# Altium PCB Pleiades_PP.PcbDoc (part 5 of 15)
Units mil, origin at the board's own origin, x right, y up, seen from the top; angles counter-clockwise.
Board outline 12244.09 x 4515.28 mil, 12 copper layers (TOP, GND1, IN1, GND2, POW1, GND3, POW2, GND4, GND5, IN2, GND6, BOT), stack 63.546 mil thick; 1447 components, 738 nets, 4532 pads, 3316 vias.
Unrouted connection lines stored in the file: 499.
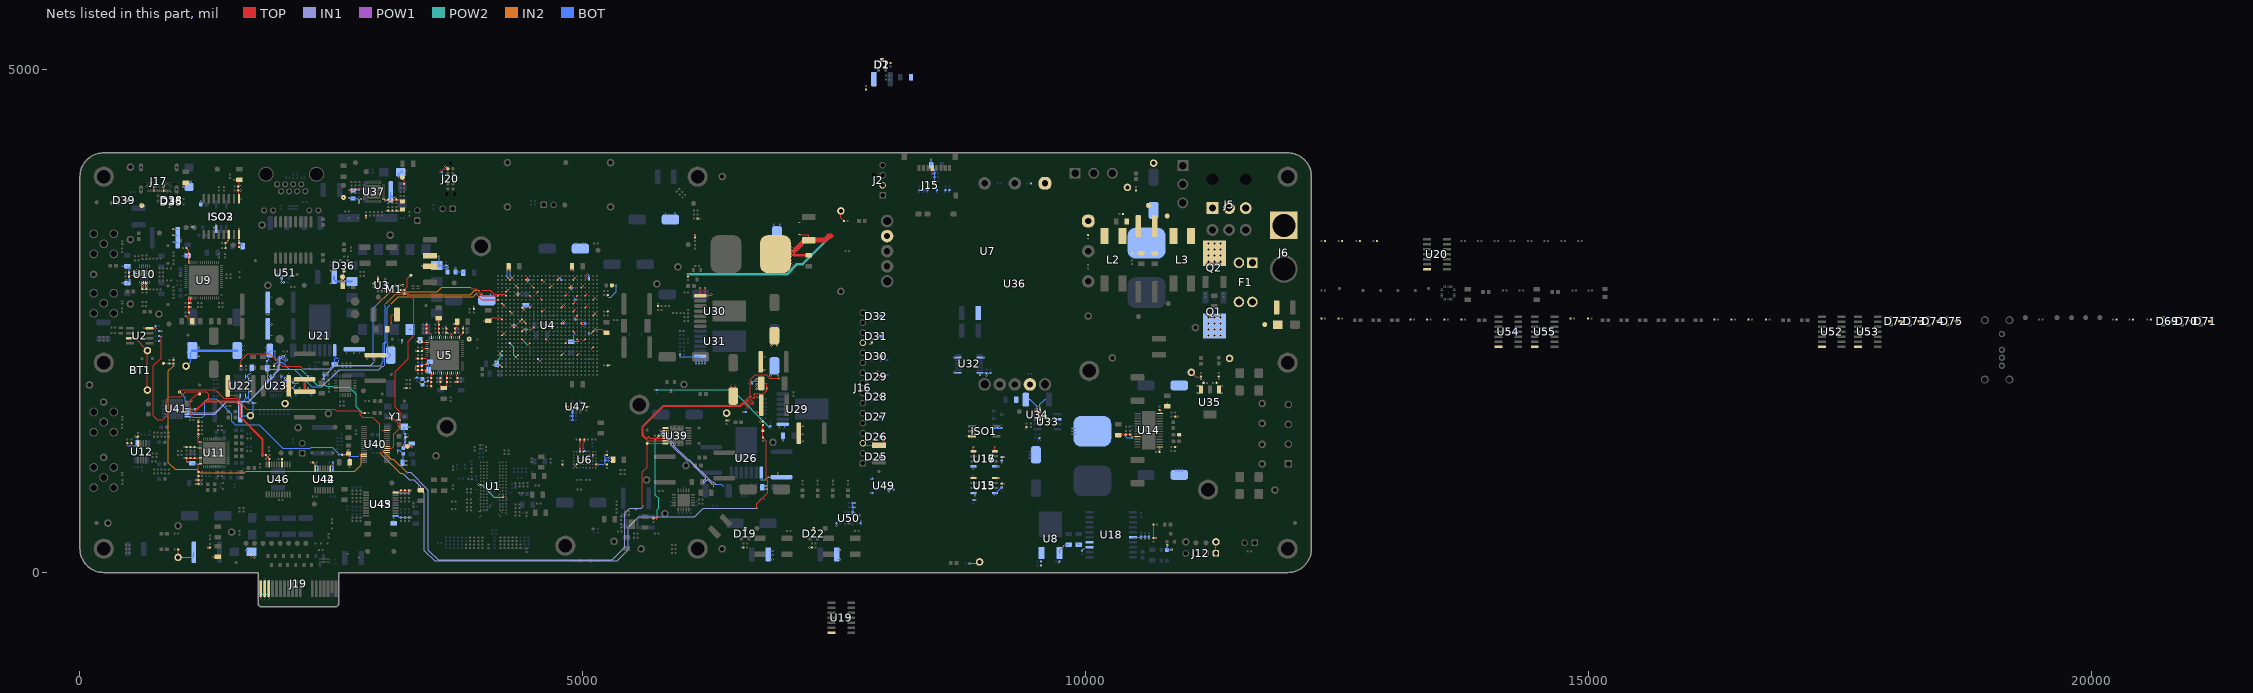
[diagram p15: the nets of this part, all layers, seen from the top]

## Via types
v1: diameter 12/18/18/18/18/18/18/18/18/18/18/12 (per signal layer), hole 6, TOP to BOT, 2739 vias
v2: diameter 20, hole 10, TOP to BOT, 363 vias
v3: diameter 19.68, hole 7.87, TOP to BOT, 110 vias
v4: diameter 40, hole 20, TOP to BOT, 36 vias
v5: diameter 25, hole 12, TOP to BOT, 32 vias
v6: diameter 22, hole 12, TOP to BOT, 27 vias
v7: diameter 19.68, hole 11.81, TOP to BOT, 9 vias

## Nets (pads, with @x,y where several pads share a name; then routed paths per layer and width w, separated by ;. In a path a pad name is that pad's centre, name@x,y a point inside that pad or via, vN(x,y) a via of type N, cw(c..) or ccw(c..) an arc to the next point about the centre after c; other vN are vias at no path point) (continued)
+3V3A: C282.1 C283.1 C284.1 C285.1 C286.1 C287.1 C288.1 C289.1 C290.1 C308.1 C309.1 C310.1 C311.1 C312.1 C313.1 C314.1 C315.1 C316.1 C317.1 C318.1 C319.1 C320.1 C321.1 C322.1 C394.1 C395.1 C396.1 C397.1 TP80.1 U9.16 U9.33 U9.34 U11.37 U11.40 U11.45 U11.48 U23.1 U23.3 U23.20 | length 2356.7
  TOP w10: v1(1037.5,1137.5) C312.1@1060,1137.5 ; v1(1037.5,1247.5) C313.1@1060,1247.5 C317.1@1100,1247.5 C321.1@1140,1247.5 1166.86,1247.5 1175.15,1239.21 v1(1175.69,1239.21) U11.40@1198.19,1239.21 ; v1(1050,2550) C283.1@1100,2500 ; C286.1@1057.5,3225 v1(1073.41,3209.09) 1073.41,3208.55 1082.5,3199.46 C288.1@1082.5,3170 C290.1@1082.5,3130 1082.43,3129.93 1082.43,3081.25 U9.16@1082.36,3081.18 ; v1(1067.5,1100) 1067.5,1100.54 1060,1108.04 C312.1@1060,1137.5 ; U9.33@1082.36,2728.82 U9.33@1082.36,2728.82 1082.43,2585.07 C285.1@1082.5,2585 ; C287.1@1082.5,2640 v1(1105,2640) ; U9.34@1102.05,2728.82 1102.05,2699.55 C289.1@1082.5,2680 v1(1105,2680) ; v1(1155,880) C309.1@1177.5,880 C311.1@1177.5,920 ; v1(1155,920) C311.1@1177.5,920 ; v1(1177.5,1517.5) C310.1@1177.5,1495 C314.1@1177.5,1455 C318.1@1177.5,1415 C322.1@1177.5,1375 v1(1177.5,1352.5) 1177.5,1351.96 1175.69,1350.15 v1(1175.69,1298.27) U11.37@1198.19,1298.27 ; U11.48@1198.19,1081.73 v1(1175.69,1081.73) 1176.07,1081.35 1176.07,1001.43 C319.1@1177.5,1000 C315.1@1177.5,960 C311.1@1177.5,920 ; U11.45@1198.19,1140.79 v1(1175.69,1140.79) 1175.15,1140.79 1171.86,1137.5 C320.1@1140,1137.5 C316.1@1100,1137.5 C312.1@1060,1137.5 ; v1(2170,1882.5) C394.1@2170,1905 ; C395.1@2183.49,1811 v1(2183.49,1833.5) ; v1(2230,1882.5) C394.1@2230,1905 ; C395.1@2265.99,1811 v1(2265.99,1833.5)
  TOP w25: C395.1@2233.49,1799.41 C394.1@2233.49,1920.41
  BOT w10: v1(924.5,3355) C282.1@970,3355 ; v1(924.5,3415) C282.1@970,3415 ; v1(929.5,3285) C282.1@975,3285 ; v1(1022.5,3150) 1068,3150 C284.1@1070,3152 ; v1(1067.5,1100) C308.1@1090,1100 ; C308.1@1115,1087 1120.27,1081.73 v1(1175.69,1081.73) ; U23.20@1999.16,1950.72 v1(2021.66,1950.72) v1(2042.47,1929.91) U23.1@2042.47,1907.41 2100.99,1907.41 C397.1@2118.49,1889.91 ; U23.3@2042.47,1856.23 2055.26,1856.23 2076.49,1835 v1(2117.5,1835) 2117.88,1834.62 2117.88,1830.02 2148.49,1799.41 C396.1@2233.49,1799.41 ; v1@2117.88,1835.38 2134.4,1851.9 v1(2134.4,1871.5) ; C397.1@2118.49,1887.41 v1(2134.4,1871.5) ; v1(2150,1757.44) C396.1@2150,1779.94 ; v1(2170,1882.5) 2145.94,1882.5 2134.94,1871.5 v1(2134.4,1871.5) ; v1(2300.99,1757.44) C396.1@2300.99,1779.94
  other v1: 1082.43,3105.59
+3V3A_EN: R190.2 U4.A20 | length 3122.8
  TOP w6: v1(3955,2785) 3955,2750 3992.4,2712.6 U4.A20@4157.48,2712.6
  TOP w10: R190.2@1930,2052.5 v1(1930,2075)
  IN1 w6: v1(2405,1845) 2575.5,2015.5 2696.37,2015.5 2697.79,2016.91 2971.91,2016.91 3005,2050 v1(3030,2050)
  IN2 w6: v1(3090,2665.36) 3164.64,2740 3910,2740 v1(3955,2785)
  BOT w6: v1(1930,2075) 1948.79,2075 1963.79,2090 2008.79,2090 2078.79,2020 2130,2020 2305,1845 v1(2405,1845) ; v1(3030,2050) 3030,2276.21 3055,2301.21 3055,2630.36 v1(3090,2665.36)
+3V3A_ETH: C520.1 C521.1 C522.1 FB7.2 TP116.1 U37.3 | length 262
  TOP w10: v1(2672.5,3802.5) 2677.5,3807.5 C521.1@2700,3807.5 C522.1@2740,3807.5 2746.87,3814.37 U37.3@2825,3814.37
  BOT w10: v1(2672.5,3802.5) 2712.5,3802.5 FB7.2@2715,3800 ; FB7.2@2720,3805 2722.5,3807.5 C520.1@2775,3807.5 C520.1@2780,3807.5
  other v1: 2620,3730
+3V3D: C100.2 C104.1 C106.2 C114.1 C115.1 C116.1 C117.1 C118.1 C119.1 C120.1 C121.1 C122.1 C123.1 C124.1 C125.1 C126.1 C127.1 C128.1 C129.1 C130.1 C131.1 C132.1 C133.1 C134.1 C135.1 C136.1 C137.1 C147.1 C148.1 C152.1 C153.1 C161.1 C162.1 C163.1 C164.1 C165.1 C166.1 C167.1 C168.1 C169.1 C170.1 C171.1 C172.1 C173.1 C174.1 C175.1 C176.1 C177.1 C178.1 C179.1 C180.1 C181.1 C200.1 C201.1 C202.1 C203.1 C204.1 C205.1 C206.1 C207.1 C208.1 C209.1 C210.1 C368.1 C370.1 C371.1 C372.1 C373.1 C374.1 C376.1 C385.1 C386.1 C387.1 C388.1 C389.1 C467.1 C468.1 C469.1 C470.1 C471.1 C479.1 C487.1 C488.1 C512.1 C513.1 C514.1 C519.1 C528.1 C531.1 C533.1 C534.1 C541.1 C542.1 C546.1 C547.1 C576.1 C577.1 C578.1 C579.1 C598.1 C599.1 C600.1 C601.1 C611.1 C612.1 C613.1 C614.1 C616.1 C617.1 C618.1 C619.2 C620.2 C621.2 C622.2 C623.2 D1.3 D2.3 D19.3 D22.3 D25.3 D26.3 D27.3 D28.3 D29.3 D30.3 D31.3 D32.3 D69.3 D70.3 D71.3 D72.3 D73.3 D74.3 D75.3 FB1.1 FB2.1 FB5.1 FB6.1 FB7.1 FB8.1 ISO1.5 J15.4 J16.3 J16.13 J20.1 NT47.1 R45.1 R46.1 R47.1 R48.2 R49.2 R56.1 R57.1 R58.1 R59.1 R62.1 R63.1 R65.1 R82.1 R171.1 R175.1 R176.1 R177.1 R178.1 R179.1 R180.1 R181.1 R182.1 R222.1 R241.1 R245.1 R246.1 R248.1 R312.1 R324.1 R325.1 R340.1 R345.1 R346.1 R347.1 R348.1 R349.1 R350.1 R351.1 R352.1 R353.1 R354.1 R358.2 R359.2 R360.2 R361.2 R369.2 R370.2 R371.2 R372.2 TP95.1 U2.8 U3.5 U4.AA6 U4.AA10 U4.AA16 U4.AA21 U4.AB14 U4.AB23 U4.AC10 U4.AC18 U4.AC21 U4.AD25 U4.AE8 U4.AE12 U4.AE16 U4.AE20 U4.B3 U4.B7 U4.B11 U4.B15 U4.B19 U4.C22 U4.D9 U4.D17 U4.D25 U4.E13 U4.F6 U4.F21 U4.F23 U4.G10 U4.G12 U4.G15 U4.G18 U4.H14 U4.H25 U4.J9 U4.J18 U4.J21 U4.K13 U4.K23 U4.L5 U4.L22 U4.M17 U4.M20 U4.M25 U4.N10 U4.P23 U4.T25 U4.U6 U4.U14 U4.U18 U4.V9 U4.V21 U4.W23 U4.Y12 U4.Y17 U4.Y19 U4.Y25 U5.8 U5.11 U5.18 U5.21 U5.26 U5.29 U5.32 U6.B2 U6.C6 U6.D6 U6.G5 U6.H2 U13.1 U15.1 U16.1 U17.1 U19.14 U20.14 U30.1 U31.1 U32.1 U32.7 U39.4 U40.36 U41.4 U42.10 U42.16 U43.20 U44.10 U44.16 U45.20 U46.4 U46.9 U47.3 U49.3 U50.3 U51.2 U52.14 U53.14 U54.14 U55.14 | length 16604.6
  TOP w5: NT47.1@6830,1835 6830,1874.79 ; 6824.79,1880 R241.1@6774,1880 6824.79,1880 ; 6824.79,1880 6830,1874.79 ; 6824.79,1880 6830,1874.79
  TOP w5.95: v1(4924.76,1059.25) U6.B2@4940.51,1075 ; U6.C6@4972.01,1200.98 v1(4972.01,1223.26) ; U6.D6@5003.5,1200.98 v1(5003.5,1223.26) ; U6.G5@5097.99,1169.49 v1(5113.74,1185.24) ; U6.H2@5129.49,1074.74 v1(5151.76,1074.74)
  TOP w8.89: C126.1@4060,2502 4070,2502 4100.05,2532.05 4180.55,2532.05 U4.B15@4196.85,2515.75 ; v1(4177.17,2062.99) U4.B3@4196.85,2043.31 ; v1(4177.17,2181.1) U4.B7@4196.85,2200.79 ; U4.B11@4196.85,2358.27 v1(4216.54,2377.95) ; U4.B19@4196.85,2673.23 v1(4216.54,2653.54) ; U4.C22@4236.22,2791.34 v1(4255.91,2811.02) ; v1(4255.91,2929.13) U4.D25@4275.59,2909.45 v1(4295.28,2929.13) ; U4.D9@4275.59,2279.53 v1(4295.28,2259.84) ; U4.D17@4275.59,2594.49 v1(4295.28,2574.8) ; v1(4295.28,2456.69) U4.E13@4314.96,2437.01 v1(4334.65,2456.69) ; v1(4334.65,2141.73) U4.F6@4354.33,2161.42 ; v1(4334.65,2771.65) U4.F21@4354.33,2751.97 v1(4374.02,2771.65) ; v1(4334.65,2850.39) U4.F23@4354.33,2830.71 ; v1(4374.02,2496.06) U4.G15@4393.7,2515.75 ; U4.G10@4393.7,2318.9 v1(4413.39,2299.21) ; U4.G12@4393.7,2397.64 v1(4413.39,2417.32) ; U4.G18@4393.7,2633.86 v1(4413.39,2614.17) ; v1(4413.39,2496.06) U4.H14@4433.07,2476.38 ; v1(4452.76,2259.84) U4.J9@4472.44,2279.53 ; v1(4452.76,2417.32) 4492.13,2417.32 U4.K13@4511.81,2437.01 ; v1(4452.76,2889.76) U4.H25@4433.07,2909.45 v1(4452.76,2929.13) ; U4.J18@4472.44,2633.86 v1(4492.13,2653.54) ; U4.J21@4472.44,2751.97 v1(4492.13,2732.28) ; v1(4492.13,2850.39) U4.K23@4511.81,2830.71 ; v1(4531.5,2771.65) U4.L22@4551.18,2791.34 ; U4.L5@4551.18,2122.05 v1(4570.87,2102.36) ; v1(4570.87,2732.28) U4.M20@4590.55,2712.6 ; U4.M17@4590.55,2594.49 v1(4610.24,2614.17) ; U4.M25@4590.55,2909.45 v1(4610.24,2889.76) ; U4.N10@4629.92,2318.9 v1(4649.61,2299.21) ; U4.P23@4669.29,2830.71 v1(4688.98,2850.39) ; U4.T25@4748.03,2909.45 v1(4767.72,2929.13) ; U4.U6@4787.4,2161.42 v1(4807.09,2181.1) ; U4.U14@4787.4,2476.38 v1(4807.09,2496.06) ; U4.U18@4787.4,2633.86 v1(4807.09,2653.54) ; U4.V9@4826.77,2279.53 v1(4846.46,2299.21) ; U4.V21@4826.77,2751.97 v1(4846.46,2771.65) ; v1(4885.83,2811.02) U4.W23@4866.14,2830.71 v1(4885.83,2850.39) ; U4.Y12@4905.51,2397.64 v1(4925.2,2377.95) ; U4.Y17@4905.51,2594.49 v1(4925.2,2614.17) ; U4.Y19@4905.51,2673.23 v1(4925.2,2692.91) ; U4.Y25@4905.51,2909.45 v1(4925.2,2929.13) ; v1(4925.2,2535.43) U4.AA16@4944.88,2555.12 ; v1(4925.2,2732.28) U4.AA21@4944.88,2751.97 ; U4.AA6@4944.88,2161.42 v1(4964.57,2181.1) ; U4.AA10@4944.88,2318.9 v1(4964.57,2299.21) ; U4.AB23@4984.25,2830.71 v1(5003.94,2850.39) ; v1(5003.94,2299.21) U4.AC10@5023.62,2318.9 ; v1(5003.94,2456.69) U4.AB14@4984.25,2476.38 v1(5003.94,2496.06) ; U4.AC18@5023.62,2633.86 v1(5043.31,2653.54) ; U4.AC21@5023.62,2751.97 v1(5043.31,2771.65) ; v1(5045,2965) 5045,2927.44 U4.AD25@5062.99,2909.45 ; v1(5082.68,2220.47) U4.AE8@5102.36,2240.16 ; v1(5082.68,2377.95) U4.AE12@5102.36,2397.64 v1(5122.05,2417.32) 5189.68,2417.32 5225,2382 C135.1@5235,2382 ; U4.AE16@5102.36,2555.12 v1(5122.05,2574.8) ; U4.AE20@5102.36,2712.6 v1(5122.05,2732.28)
  TOP w10: v1(634.31,2430) U2.8@690,2430 749.46,2430 751.96,2427.5 v1(752.5,2427.5) ; v1(1815,1165) 1815.54,1165 1820.54,1170 R340.1@1847.5,1170 1865,1152.5 1865,1150 v1(1865.38,1149.62) 1865.38,1147.12 C546.1@1882.5,1130 1881.47,1128.97 1881.47,1073.67 U46.9@1880.43,1072.64 ; C547.1@2007.5,1130 2009.62,1127.88 2009.62,1112.88 v1(2010,1112.5) U46.4@2010,1090 ; v1(2295,1095) C541.1@2317.5,1095 2337.12,1075.38 2337.12,1071.84 v1(2337.5,1071.46) U42.16@2337.5,1048.96 ; U42.10@2487.5,1031.3 2487.5,1054.72 2496.43,1063.65 2496.43,1065.16 2503.38,1072.12 2517.12,1072.12 v1(2517.5,1072.5) ; v1(2607.5,1192.5) C534.1@2607.5,1170 2609,1171.5 2656.5,1171.5 FB8.1@2670,1185 2670,1154.82 v1(2683,1141.82) C533.1@2683,1119.32 ; FB8.1@2669.49,1195.24 v1(2669.49,1217.74) ; v1(2683,1047.5) C533.1@2683,1070 ; C106.2@2920,2872.5 v1(2920,2895) ; U3.5@2963,2915 v1(2963,2937.5) ; v1(3005,1420) 3005.54,1420 3015.54,1410 U40.36@3030,1410 ; v1(3042.5,3597.5) C512.1@3065,3597.5 v1(3085,3597.5) C513.1@3105,3597.5 v1(3125,3597.5) C514.1@3145,3597.5 3146.25,3598.75 v1(3170,3598.75) 3193.75,3598.75 FB6.1@3205,3610 ; U43.20@3115,795 v1(3115,817.5) ; U43.20@3137.64,795.16 3159.64,795.16 3181.98,817.5 C576.1@3190,817.5 C578.1@3270,817.5 v1(3292.5,817.5) ; R312.1@3235,1347.5 v1(3257.5,1347.5) ; v1(3337.5,2012.5) C168.1@3360,2012.5 ; v1(3337.5,2052.5) C164.1@3360,2052.5 ; v1(3337.5,2127.5) C165.1@3360,2127.5 C172.1@3400,2127.5 3402.5,2130 3448.35,2130 U5.26@3448.82,2130.47 ; v1(3337.5,2202.5) C166.1@3360,2202.5 C171.1@3400,2202.5 3425.93,2228.43 3448.35,2228.43 U5.21@3448.82,2228.9 ; v1(3337.5,2297.5) C169.1@3360,2297.5 C175.1@3400,2297.5 3409.55,2287.95 U5.18@3448.82,2287.95 ; C579.1@3368.99,834.59 v1(3368.99,857.09) ; v1(3397.19,3047.52) C488.1@3419.69,3047.52 ; C174.1@3400,2012.5 C173.1@3400,2052.5 ; C579.1@3408.33,834.59 v1(3408.33,857.09) ; v1@3442.19,1995.42 3442.57,1995.8 3442.57,2011.89 3443.04,2012.36 U5.32@3448.82,2012.36 U5.32@3448.82,2012.36 3360.07,2012.43 C168.1@3360,2012.5 ; U5.29@3448.82,2071.42 3418.92,2071.42 C173.1@3400,2052.5 ; C161.1@3565,2527 3567.5,2524.5 C163.1@3567.5,2465 C170.1@3567.5,2425 C177.1@3567.5,2385 3575.79,2376.71 v1(3575.79,2356.45) U5.11@3575.79,2336.18 ; v1(3577.5,3977.5) 3615,4015 J20.1@3657.45,4015 ; v1(3634.09,4035.91) J20.1@3650,4020 ; U5.8@3634.84,2336.18 3634.84,2377.34 C176.1@3642.5,2385 C167.1@3642.5,2425 v1(3642.5,2447.5) ; v1(4014.5,2502) C126.1@4037,2502 ; v1(4250,3000) C147.1@4250,3022.5 ; v1(4275.59,3000) C147.1@4275.59,3022.5 ; v1(4799.25,1052.24) C204.1@4799.25,1074.74 ; R346.1@4830,1647.5 v1(4852.5,1647.5) ; v1(4879.77,3000) C131.1@4879.77,3022.5 ; v1(4905.51,3000) C131.1@4905.51,3022.5 ; v1(4972.01,1223.26) 4971.88,1223.38 4971.88,1299.62 v1(4971.75,1299.74) C203.1@4971.75,1322.24 C202.1@5016.75,1322.24 v1(5016.75,1299.74) 5003.5,1286.5 v1@5003.5,1223.8 ; R345.1@5035,1647.5 v1(5057.5,1647.5) ; v1(5216.75,1074.74) C205.1@5239.25,1074.74 ; v1(5216.75,1169.74) C201.1@5239.25,1169.74 ; R65.1@5247.5,2060 v1(5270,2060) ; R59.1@5247.5,2595 v1(5247.5,2617.5) ; v1(5247.5,2737.5) R62.1@5247.5,2760 ; v1(5263.82,1105.62) C200.1@5286.32,1105.62 ; v1(5263.82,1142.48) C200.1@5286.32,1142.48 ; R63.1@5288.54,2855 v1(5330,2855) ; R222.1@5700.12,538.27 5731.19,538.27 5739.46,530 v1(5740,530) ; R245.1@5747.5,2650 v1(5747.5,2672.5) ; C528.1@5752.5,1360 v1(5775,1360) U39.4@5820.83,1360 ; R49.2@6115,3332.5 v1(6115,3355) ; R48.2@6138.96,3520 v1(6161.46,3520) ; U30.1@6160,2760 6162.77,2760 6165,2762.23 v1(6165,2830) ; U30.1@6215,2760 6214.62,2760.38 6214.62,2829.62 v1(6215,2830) ; U30.1@6220,2755 6220.5,2754.5 6268.96,2754.5 6279.46,2765 v1(6280,2765) ; R324.1@6430,1512.5 v1(6452.5,1512.5) ; C467.1@6475,1835.94 v1(6475,1858.44) ; C467.1@6515,1835.94 v1(6515,1858.44) ; v1(6575,249.33) R171.1@6597.5,249.33 ; v1(6592.5,431) D19.3@6615,431 ; v1(6727.5,1825) R241.1@6750,1825 ; v1(6727.5,1849.82) R241.1@6750,1849.82 ; v1(6727.5,1874.79) R241.1@6750,1874.79 ; v1(6727.5,1902.5) R241.1@6750,1902.5 ; v1(6727.5,1925) R241.1@6750,1925 ; v1(6728.96,1595) C470.1@6751.46,1595 ; v1(6728.96,1745) C470.1@6751.46,1745 ; v1(6767.5,1502.5) R325.1@6790,1502.5 ; C469.1@6783.1,2014.09 v1(6805.6,2014.09) ; C469.1@6787.5,2145 v1(6810,2145) ; v1(6875,2256.25) C114.1@6875,2278.75 ; v1(6930,2256.25) C114.1@6930,2278.75 ; v1(7255,250) R182.1@7277.5,250 ; v1(7272.5,431) D22.3@7295,431 ; J16.3@7785,1285 7799.88,1285 7818.88,1266 C376.1@7945,1266 7980.93,1266 8003.29,1288.36 8003.29,1348.83 v1(8003.46,1349) ; v1(7859.09,2271.59) C385.1@7875,2287.5 ; v1(7919.09,1946.59) C479.1@7935,1962.5 7948.5,1949 v1@8002.92,1949 ; v1(8473.62,3963.48) J15.4@8473.62,4020.35 ; v1(8812.5,1355) ISO1.5@8835,1355 ; U15.1@8883.7,940 v1(8883.7,962.5) ; U16.1@8883.7,1205 v1(8883.7,1247.5) ; C168.1@3360,2012.5 C164.1@3360,2052.5 ; C164.1@3360,2052.5 C173.1@3400,2052.5
  TOP w12: v1(810,2350) 808,2348 808,2133 730,2055 730,1560 770,1520 825,1520 860,1555 860,1717.22 892.78,1750 1002.18,1750 1051.18,1799 1254,1799 1280,1773 1280,1700
  TOP w20: v1(1142.5,1602.5) 1240,1700 1280,1700 1550,1700 1592.5,1657.5 1592.5,1547.5 1815,1325 v1(1815,1165)
  POW1 w10: v1(3115,817.5) 3137.34,795.16 3270.16,795.16 v1(3292.5,817.5)
  POW2 w8.89: v1(4177.17,2062.99) 4176.17,2062 v1(4110.13,2062) 4177.17,2129.04 v1(4177.17,2181.1) ; v1(4295.28,2259.84) 4314.96,2240.16 4314.96,2161.42 v1(4334.65,2141.73) ; v1(4413.39,2299.21) v1(4452.76,2259.84)
  POW2 w10: v1(5740,530) 5740,628.58 5752.5,641.08 5752.5,737.5 5720,770 5720,1320 5760,1360 v1(5775,1360)
  BOT w5.95: v1(4924.76,1059.25) 4924.76,1059.75 4941.75,1076.74 C209.1@4941.75,1077.24 ; C208.1@4971.75,1202.24 4971.88,1202.37 4971.88,1223.13 v1(4972.01,1223.26) ; v1(5003.5,1223.26) 5003.87,1223.26 5017.13,1210 C207.1@5017.5,1210 ; C206.1@5101.75,1162.24 5107.53,1168.02 5107.53,1177.39 5113.74,1183.6 v1(5113.74,1185.24)
  BOT w8.89: C116.1@4143,2075 4155.01,2062.99 v1(4177.17,2062.99) ; v1(4177.17,2181.1) 4177.76,2180.51 4177.76,2174.74 C129.1@4195,2157.5 ; C128.1@4272.5,2280 4292.06,2260.44 4294.68,2260.44 v1(4295.28,2259.84) ; v1(4295.28,2456.69) 4295.87,2457.29 4313.37,2457.29 C127.1@4314.96,2458.88 4316.55,2457.29 4334.05,2457.29 v1(4334.65,2456.69) ; v1(4334.65,2771.65) 4335.24,2772.25 4352.74,2772.25 C119.1@4354.33,2773.84 4355.92,2772.25 4373.42,2772.25 v1(4374.02,2771.65) ; v1(4413.39,2417.32) 4413.98,2416.73 4431.48,2416.73 C124.1@4433.07,2415.14 4434.66,2416.73 4452.16,2416.73 v1(4452.76,2417.32) ; v1(4413.39,2614.17) 4413.39,2642.12 4430.86,2659.6 C117.1@4433.07,2659.6 4439.13,2653.54 v1(4492.13,2653.54) ; v1(4452.76,2889.76) 4453.35,2890.36 4453.35,2907.86 C148.1@4454.94,2909.45 4453.35,2911.04 4453.35,2928.54 v1(4452.76,2929.13) ; C120.1@4553.37,2122.05 4570.27,2105.14 4570.27,2102.96 v1(4570.87,2102.36) ; v1(4767.72,2929.13) 4768.07,2929.13 4787.2,2910 C132.1@4787.5,2910 ; v1(4807.09,2496.06) 4807.68,2495.47 4807.68,2477.97 C122.1@4809.27,2476.38 ; v1(4846.46,2299.21) 4879.77,2299.21 C118.1@4885.83,2293.16 ; v1(4885.83,2811.02) 4886.42,2811.62 4886.42,2829.12 C133.1@4888.01,2830.71 4886.42,2832.3 4886.42,2849.8 v1(4885.83,2850.39) ; v1(4925.2,2377.95) 4907.88,2360.64 4907.88,2310.63 C118.1@4896.46,2299.21 ; v1(4925.2,2535.43) 4925.79,2534.84 4925.79,2517.34 C121.1@4927.38,2515.75 ; v1(4925.2,2692.91) 4925.79,2693.51 4925.79,2711.01 C123.1@4927.38,2712.6 4925.79,2714.19 4925.79,2731.69 v1(4925.2,2732.28) ; v1(4964.57,2299.21) C118.1@4896.46,2299.21 ; v1(5003.94,2456.69) 5004.53,2457.29 5006.72,2457.29 C136.1@5025.81,2476.38 5006.72,2495.47 5004.53,2495.47 v1(5003.94,2496.06) ; v1(5045,2965) 5060.81,2949.19 C134.1@5060.81,2929.13 ; C137.1@5060.81,2377.95 v1(5082.68,2377.95) ; v1@5965.84,2145 6162.4,2145 U31.1@6167.4,2150 ; C118.1@4885.83,2293.16 4890.41,2293.16 C118.1@4896.46,2299.21 ; C118.1@4885.83,2293.16 4891.88,2299.21 C118.1@4896.46,2299.21
  BOT w10: v1(752.5,2427.5) C100.2@752.5,2450 ; R46.1@787.5,2300 v1(810,2300) ; R47.1@787.5,2350 v1(810,2350) ; R45.1@787.5,2400 v1(810,2400) ; U41.4@1092.5,1625 v1(1115,1625) C531.1@1142.5,1625 v1(1142.5,1602.5) ; C618.1@1960,2962.5 v1(1982.5,2962.5) 1982.5,2962 2005.5,2939 U51.2@2005.5,2933 2005.25,2932.75 2005.25,2885.25 v1(2005,2885) R351.1@2027.5,2885 ; v1(2337.5,1071.46) 2337.88,1071.07 2345.36,1071.07 2362.5,1053.94 U44.10@2362.5,1031.3 ; U44.16@2512.5,1031.3 2513.6,1032.4 2513.6,1066.1 2517.5,1070 v1(2517.5,1072.5) C542.1@2517.5,1095 ; v1(2675,3725) 2710,3725 FB7.1@2715,3720 2752.5,3720 C519.1@2775,3697.5 v1(2775,3675) ; R57.1@3040,2872.5 v1(3062.5,2872.5) ; C601.1@3120,504.96 v1(3120,527.46) 3120,561.84 3123,564.84 U45.20@3137.64,564.84 3159.44,564.84 3162.44,561.84 3162.44,553.36 3168.3,547.5 C598.1@3190,547.5 C599.1@3230,547.5 C600.1@3270,547.5 v1(3292.5,547.5) ; v1(3160,1192.5) C153.1@3160,1215 3181.46,1215 FB1.1@3215,1181.46 ; C152.1@3207,1090 3213.98,1096.98 v1(3213.98,1148.46) FB1.1@3213.98,1170.96 ; C152.1@3225,1070 v1(3247.5,1070) ; C152.1@3225,1110.24 v1(3247.5,1110.24) ; v1(3327.5,1937.5) C178.1@3350,1937.5 3390,1937.5 3403.96,1923.54 FB2.1@3405,1923.54 3405,1922.5 3429.62,1897.89 3429.62,1895.38 v1(3430,1895) 3437.5,1902.5 C181.1@3460,1902.5 ; v1(3337.5,2012.5) v1(3337.5,2052.5) 3377.5,2052.5 3393.73,2068.73 3441.46,2068.73 3469.73,2097 C179.1@3480,2097 3468.5,2085.5 3468.5,2011.5 C180.1@3467,2010 ; v1(3337.5,2297.5) 3369.5,2297.5 C162.1@3382,2310 ; v1(3439,1995) C180.1@3474.27,1995 ; v1(3577.5,3977.5) C619.2@3600,3977.5 ; FB5.1@3735,2990 3736.75,2988.25 3803.75,2988.25 C487.1@3812,2980 ; FB5.1@3735,3006 v1(3735,3028.5) ; C125.1@3996.35,2750 v1(3996.35,2772.5) ; C125.1@4084.78,2750 v1(4084.78,2772.5) ; v1(4110.13,2062) C116.1@4132.63,2062 ; v1(4250,3000) 4250,2935.58 4255.91,2929.68 v1(4255.91,2929.13) ; v1(4275.59,3000) 4275.59,2948.82 v1(4295.28,2929.13) ; v1(4875,1514.16) C611.1@4897.5,1514.16 4897.55,1514.21 U47.3@4897.6,1598.82 U47.3@4897.6,1598.82 ; v1(4875,1555) C612.1@4897.5,1555 ; C130.1@4927.38,3257.2 v1(4927.38,3279.7) ; C130.1@5015,3257.2 v1(5015,3279.7) ; C210.1@5129.49,1074.74 v1(5151.76,1074.74) ; v1@5152.12,1074.87 5216.62,1074.87 v1(5216.75,1074.74) 5216.75,1075.29 5222.5,1081.03 R82.1@5222.5,1115 ; v1(5216.75,1169.74) 5216.75,1143.79 5222.5,1138.04 v1(5222.5,1137.5) ; R58.1@5247.5,2760 v1(5247.5,2737.5) 5277.5,2737.5 5330,2790 v1(5330,2855) ; v1(5263.82,1105.62) 5263.28,1105.62 5253.89,1115 R82.1@5222.5,1115 ; v1(5263.82,1142.48) 5228.02,1142.48 5223.04,1137.5 v1(5222.5,1137.5) ; C115.1@5825,3555 v1(5825,3577.5) ; C115.1@5917.39,3555 v1(5917.39,3577.5) ; v1(5965,2145) R246.1@5965,2167.5 ; v1(6125,2075) U31.1@6125,2140 ; v1(6155,2075) U31.1@6155,2140 ; v1(6185,2075) U31.1@6185,2140 ; v1(6215,2075) U31.1@6215,2140 ; v1(6597.5,1597.5) R248.1@6620,1597.5 ; C471.1@6680,1880 v1(6680,1902.5) 6705,1902.5 v1(6727.5,1925) ; C368.1@6865,130 v1(6887.5,130) ; C368.1@6865,175 v1(6887.5,175) ; C368.1@6865,215 v1(6887.5,215) ; v1(6865,1957.5) C468.1@6865,1980 ; v1(6940,1957.5) C468.1@6940,1980 ; v1(7522.7,467.46) R349.1@7522.7,489.96 ; C374.1@7533.96,130 v1(7556.46,130) ; C374.1@7533.96,223.11 v1(7556.46,223.11) ; C617.1@7682.7,649.96 v1(7705.2,649.96) ; v1(7703.86,592.95) U50.3@7681.36,592.95 7682.03,593.62 7682.03,649.96 7682.03,689.29 C616.1@7682.7,689.96 v1(7705.2,689.96) ; R350.1@7762.7,489.96 v1(7762.7,512.46) ; v1(7857.5,792.5) R348.1@7880,792.5 ; v1(7857.5,932.5) R347.1@7880,932.5 ; D25.3@7963.54,1149 v1(8003.46,1149) ; D26.3@7963.54,1349 v1(8003.46,1349) ; D27.3@7963.54,1549 v1(8003.46,1549) ; D28.3@7963.54,1749 v1(8003.46,1749) ; D29.3@7963.54,1949 v1(8003.46,1949) 8003.84,1949.38 8003.84,1956.07 8015.28,1967.5 8038.7,1967.5 ; D30.3@7963.54,2149 v1(7963.54,2109.08) 7964.08,2109.08 7972.5,2117.5 8038.7,2117.5 ; v1(7963.54,2309.08) D31.3@7963.54,2349 ; v1(7963.54,2509.08) D32.3@7963.54,2549 ; v1(8043.18,804.78) U49.3@8043.18,827.28 8043.29,827.39 C614.1@8089.27,827.39 ; 8345,3780 R178.1@8345,3802.5 ; 8385,3780 R179.1@8385,3802.5 ; 8425,3780 R180.1@8425,3802.5 ; v1(8462,4106.87) C370.1@8462,4050 8462,4040 8497.5,4004.5 C373.1@8497.5,3970 ; v1(8473.62,3963.48) 8474.16,3963.48 8475.68,3965 8492.5,3965 C373.1@8497.5,3970 ; v1(8475,3890) C371.1@8497.5,3890 C372.1@8497.5,3930.45 ; v1(8475,3930.45) C372.1@8497.5,3930.45 ; 8520,3780 R181.1@8520,3802.5 ; 8605,3780 R176.1@8605,3802.5 ; 8645,3780 R177.1@8645,3802.5 ; v1(8691.2,1987.5) U32.1@8733.7,1987.5 ; v1(8691.2,2137.5) U32.7@8733.7,2137.5 ; v1(8883.7,1032.5) U17.1@8883.7,1055 ; C613.1@8884.89,722.61 v1(8907.39,722.61) ; v1(8900,767.18) U13.1@8900,789.68 ; R82.1@5222.5,1115 v1(5222.5,1137.5) ; C372.1@8497.5,3930.45 C373.1@8497.5,3970